# KiCad board After Huzaifa Antuley fixed DRC.kicad_pcb (continued)
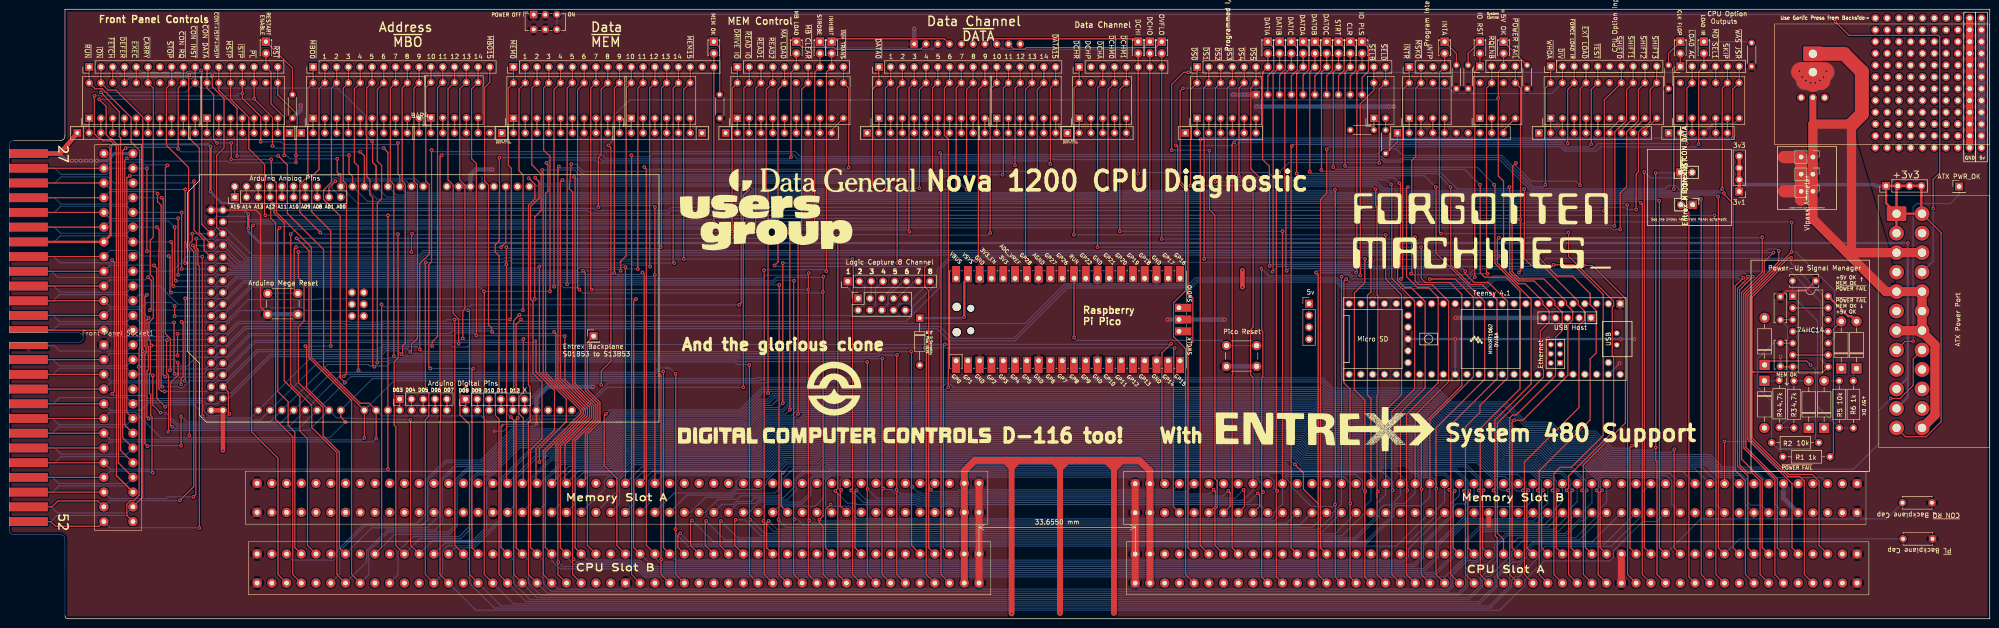
[diagram p0: board, top side]
## Routing (per net, layer and track width the routed paths; a pad name or vN(x,y) marks a point on that pad's centre or on a via; arc(x,y) is an arc through that point) (continued)
  Bottom w0.25: J16.41 306.13,26.29 304.23,24.38 298.85,24.38 298.38,23.92 298.38,22.13 292.36,16.1 146.91,16.1 v1(144.59,18.42) ; 318.45,74.42 v1(318.58,74.42) 315.52,74.42 314.38,73.28 v1(306.13,73.28)
~{RST}: length 524.3
  Top w0.25: 74.36,93.6 73.98,93.22 73.98,95.38 73.22,96.14 v1(73.22,99.95) 73.22,99.82 ; 61.8,99.93 v1(61.79,99.95) ; v1(61.79,99.95) v1(61.79,98.43) ; v1(61.79,99.95) 61.8,99.97 61.8,105.72 62.05,105.97 62.05,108.83 57.85,113.03 BAR2.14 J9.17 ; v1(25.34,99.31) 24.88,98.86 24.88,41.78 Front Panel Socket1.20 ; v1(351.6,89.66) 351.91,89.35 351.91,9.54 J2.30
  Bottom w0.25: v1(73.22,99.95) v1(61.79,99.95) ; J5.20 9.21,40.01 10.53,41.33 25.33,41.33 Front Panel Socket1.20 ; v1(25.34,99.31) 25.65,99.01 28.44,99.01 28.77,98.68 47.17,98.68 47.52,98.34 61.7,98.34 v1(61.79,98.43) ; 73.98,93.22 77.18,90.02 351.24,90.02 v1(351.6,89.66)
~{RUN}: length 560.1
  Top w0.25: J2.14 377.31,9.54 377.31,29.72 375.59,31.43 374.65,31.43 372.88,33.21 372.88,70.93 375.73,73.78 v1(375.73,73.79) ; Front Panel Socket1.26 25.33,22.28 25.33,24.68 26.11,25.46 26.79,25.46 27.98,26.65 27.98,54.25 v1(27.88,54.36) 27.98,54.46 27.98,58.17 28.09,58.28 28.09,100.97 26.24,102.81 26.24,108.13 20.07,114.3 18.48,114.3 BAR1.20 J9.1
  Bottom w0.25: Front Panel Socket1.26 25.33,22.28 10.28,22.28 8.96,20.96 J5.26 ; v1(27.88,54.36) 38.16,54.36 40.2,56.39 44.13,56.39 45.4,57.66 46.04,57.66 50.95,62.57 199.89,62.57 202.55,59.92 216.7,59.92 228.13,71.34 254.8,71.34 256.06,72.6 285.86,72.6 287.25,71.2 318.29,71.2 320.13,73.05 326.38,73.05 326.96,73.64 372.32,73.64 373.57,72.39 374.34,72.39 375.73,73.78 v1(375.73,73.79) 375.73,73.91
~{SELB}: length 239.2
  Top w0.25: 179.08,28 v1(179.26,27.81) 179.08,27.63 179.08,24.27 180.41,22.94 ; v1(291.15,74.04) 291.15,111.06 294.07,113.98 BAR12.20 J10.16 ; 269.88,75.64 v1(269.81,75.57) 269.88,75.49 269.88,62.17 270.13,61.92 270.13,52.22 269.88,51.97 269.88,27.61 v1(270.19,27.31) 269.88,27 269.88,9.02 J2.82
  Bottom w0.25: v1(269.81,75.57) 271.43,73.95 281.92,73.95 282.6,74.62 288.74,74.62 289.41,73.95 291.06,73.95 v1(291.15,74.04) ; v1(270.19,27.31) 269.88,27.61 269.88,29.15 268.5,30.54 179.86,30.54 179.08,29.76 179.08,28 v1(179.26,27.81)
~{SELD}: length 242.3
  Top w0.25: 295.19,98.28 v1(295.21,98.3) 295.19,98.32 295.19,114.16 BAR12.19 J10.17 ; J2.80 273.06,9.02 273.06,27.38 v1(273.24,27.56) 273.06,27.74 273.06,95.7 v1(273.62,96.27)
  Bottom w0.25: 295.09,98.3 295,98.39 275.75,98.39 v1(273.62,96.27) ; 175.91,29.76 175.91,24.27 177.23,22.94 ; 175.91,29.76 177.14,30.99 271.22,30.99 272.54,29.68 272.54,28.27 v1(273.24,27.56) ; 175.91,29.76 177.06,30.91
~{SHIFT0}: length 404.2
  Top w0.25: v1(56.33,88.52) 56.33,86.41 57.39,85.34 57.39,42.94 61.08,39.24 61.08,9.55 J3.94 ; v1(343.6,88.01) 343.75,88.16 343.75,111.91 BAR15.14 J11.7
  Bottom w0.25: v1(343.6,88.01) 343.56,88.05 142.72,88.05 142.12,87.45 125.25,87.45 124.65,88.05 56.8,88.05 v1(56.33,88.52)
~{SHIFT1}: length 410.2
  Top w0.25: v1(52.52,84.84) 52.22,84.55 52.22,40.3 57.91,34.62 57.91,9.55 J3.96 ; v1(345.89,84.71) 346,84.82 346,105.03 346.76,105.79 346.84,105.79 348.54,107.48 348.54,114.16 BAR15.13 J11.8
  Bottom w0.25: v1(345.89,84.71) 345.72,84.87 151.53,84.87 151.25,85.15 52.83,85.15 v1(52.52,84.84)
~{SHIFT2}: length 399.4
  Top w0.25: v1(58.23,84.33) 57.85,83.95 57.85,49.02 60.09,46.78 60.09,41.7 61.53,40.26 61.53,15.37 J3.93 ; J11.9 BAR15.12 351.07,114.16 351.07,107.41 349.57,105.9 349.48,105.9 348.55,104.97 348.55,93.22 347.16,91.82 v1(347.16,83.95)
  Bottom w0.25: v1(347.16,83.95) 345.62,83.95 345.24,84.33 150.88,84.33 150.69,84.52 76.86,84.49 73.31,84.49 73.22,84.58 58.48,84.58 v1(58.23,84.33)
~{SHIFT3}: length 407.4
  Top w0.25: 56.71,89.41 v1(56.71,89.54) 57.05,89.06 57.05,87.54 59.25,85.34 59.25,51.31 62.63,47.92 62.63,40.49 64.25,38.86 64.25,15.82 J3.91 ; v1(350.58,88.27) 350.58,95.89 351.09,96.39 351.09,104.97 352.02,105.9 352.34,105.9 353.62,107.17 353.62,114.16 BAR15.11 J11.10
  Bottom w0.25: v1(56.71,89.54) 57.74,88.5 126.19,88.5 126.64,88.05 142.09,88.05 142.77,88.74 348.2,88.74 348.67,88.27 v1(350.58,88.27)
~{SKIP}: length 407.4
  Top w0.25: v1(90.74,53.98) 90.4,54.32 90.4,76.36 91,76.96 v1(91,101.09) ; v1(100.01,53.98) 99.7,53.67 99.7,49.07 99.68,49.04 99.68,43.59 99.7,43.57 99.7,15.3 J3.69 ; v1(369.13,92.71) 369.14,92.73 369.14,114.45 BAR16.16 J17.5
  Bottom w0.25: v1(91,101.09) 91.35,100.74 169.4,100.74 170.5,99.65 295.84,99.65 296.56,98.93 299.69,98.93 300.23,99.47 321.47,99.47 328.22,92.72 356.81,92.72 357.52,93.44 359.01,93.44 360.18,92.27 368.69,92.27 v1(369.13,92.71) ; v1(100.01,53.98) v1(90.74,53.98)
~{STOP}: length 471.7
  Top w0.25: J9.8 BAR1.13 33.86,114.45 33.86,102.09 38.64,97.32 38.64,81.36 38.31,81.03 38.31,80.01 38.8,79.52 v1(38.8,39.5) ; v1(349.7,37.34) 349.26,36.9 349.26,15.29 J2.31 ; v1(72.45,42.42) 71.44,43.56 71.44,44.96 ; 20.38,43.18 4.15,43.18
  Bottom w0.25: 37.66,39.06 39.43,39.06 ; 37.66,39.06 32.65,39.06 27.2,44.51 21.71,44.51 20.38,43.18 ; 37.66,39.06 38.36,39.06 v1(38.8,39.5) 39.24,39.06 39.43,39.06 ; 39.43,39.06 69.09,39.06 v1(72.45,42.42) ; 160.97,51.78 78.26,51.78 71.44,44.96 ; v1(349.7,37.34) 349.13,36.77 345.57,36.77 341.87,40.47 334.27,40.47 332.36,42.38 327.01,42.38 322.62,46.78 310.74,46.78 307.79,49.72 285.24,49.72 282.98,51.99 161.14,51.99 160.97,51.82
~{TEST}: length 206.1
  Top w0.25: J2.92 253.49,9.54 253.49,58.23 250.9,60.81 250.9,68.15 253.49,70.74 253.49,92.51 253.49,92.52 251.78,94.22 251.78,101.73 v1(251.4,102.11) ; J11.5 BAR15.16 340.92,114.16 340.92,102.38 v1(340.93,102.36)
  Bottom w0.25: v1(251.4,102.11) 251.49,102.02 264.27,102.02 264.86,102.61 264.86,102.62 264.99,102.75 334.57,102.75 335.55,101.76 340.33,101.76 v1(340.93,102.36)
~{WAS JSR}: length 221.1
  Top w0.25: J2.89 256.66,15.81 256.66,103.31 v1(256.73,103.38) ; v1(371.41,103.63) 371.41,114.22 BAR16.15 372.81,115.62 J17.6
  Bottom w0.25: v1(371.41,103.63) 371.39,103.65 257,103.65 v1(256.73,103.38)
~{WHOA}: length 254.3
  Top w0.25: J3.6 200.78,9.55 200.78,100.28 v1(200.6,100.46) ; J11.1 BAR15.20 331.05,114.45 331.05,93.62 v1(331.03,93.6)
  Bottom w0.25: v1(200.6,100.46) 200.96,100.1 294.73,100.1 295.98,101.36 298.86,101.36 300.29,99.92 321.66,99.92 328.41,93.17 330.6,93.17 v1(331.03,93.6)
Net-(BAR12-Pad1): length 2.5
  Top w0.25: BAR12.1 R10.2
Net-(BAR12-Pad2): length 2.5
  Top w0.25: BAR12.2 R9.2
Net-(C3-Pad1): length 32.4
  Top w0.25: U1.5 381.72,59.41 C3.1
  Bottom w0.25: R1.2 382.21,35.56 R2.1 379.8,46.89 376.8,49.88 376.8,56.12 380.14,59.46 C3.1
Net-(C4-Pad1): length 30.4
  Top w0.25: C4.1 381.72,64.49 U1.3
  Bottom w0.25: R3.2 384.45,41.28 R4.1 383.22,43.05 383.22,62.9 C4.1
Net-(C5-Pad1): length 39
  Top w0.25: 384.29,69.62 U1.1
  Bottom w0.25: R6.1 R5.2 389.67,45.83 389.67,64.24 U1.1 384.29,69.62 C5.1
Net-(D1-A): length 30.2
  Top w0.25: R1.1 393.09,35.64 393.09,62.44 D1.2
Net-(D2-K): length 28.1
  Top w0.25: D2.1 379.12,55.58 387.33,55.58 v1(388.18,54.74)
  Bottom w0.25: 389.95,37.97 389.22,38.71 389.22,53.69 v1(388.18,54.74)
Net-(D3-A): length 3.2
  Bottom w0.25: R3.1 387.8,51.31
Net-(D4-K): length 3.3
  Bottom w0.25: R4.2 381.32,51.31 D4.1
Net-(D5-A): length 3.3
  Bottom w0.25: 391.1,51.31 R5.1
Net-(D6-K): length 2.9
  Bottom w0.25: 397.41,51.31 397.41,53.3 D6.1
Net-(D7-K): length 13.8
  Top w0.25: R7.2 61.02,118.75 D7.1
Net-(D8-K): length 12
  Top w0.25: D8.1 153.1,123.19 R8.2
Net-(D9-K): length 29.1
  Top w0.25: RN11.2 196.41,122.81 178.07,122.81 177.65,123.24 170.84,123.24 D9.1
Net-(D10-K): length 26.5
  Bottom w0.25: D10.1 176,123.15 193.57,123.15 193.89,122.83 198.97,122.83 RN11.3
Net-(D11-K): length 26.1
  Top w0.25: RN11.4 201.51,125.08 177.85,125.08 D11.1
Net-(D12-K): length 12.5
  Top w0.25: D12.1 272.48,123.19 272.48,118.37 271.21,117.1 RN14.2
Net-(D13-K): length 33.7
  Top w0.25: D13.1 242.65,125.08 211.38,125.08 RN11.7
Net-(D14-K): length 34.2
  Bottom w0.25: D14.1 244.54,123.19 242.81,123.19 242.44,122.83 213.92,122.83 RN11.8
Net-(D15-K): length 34.2
  Top w0.25: D15.1 247.08,123.19 219.15,123.19 218.78,122.82 216.47,122.82 RN11.9
Net-(D16-K): length 12.4
  Top w0.25: RN14.3 273.75,117.22 274.98,118.45 274.98,123.24 D16.1
Net-(D17-K): length 12.5
  Top w0.25: RN14.4 276.29,117.1 277.61,118.41 277.61,123.15 D17.1
Net-(D18-K): length 12.4
  Top w0.25: D18.1 285.14,123.23 285.14,118.32 283.91,117.1 RN14.7
Net-(D19-K): length 12.4
  Top w0.25: D19.1 287.68,123.24 287.68,118.32 286.45,117.1 RN14.8
Net-(D20-K): length 12.4
  Top w0.25: RN14.9 288.99,117.1 290.21,118.32 290.21,123.24 D20.1
Net-(D21-K): length 12.4
  Top w0.25: D21.1 280.06,123.24 280.06,118.45 278.83,117.22 RN14.5
Net-(D22-K): length 12.4
  Top w0.25: D22.1 282.59,123.24 282.59,118.32 281.37,117.1 RN14.6
Net-(D23-K): length 12.6
  Top w0.25: RN14.10 291.53,116.71 292.89,118.08 292.89,123.1 D23.1
Net-(D24-K): length 7.2
  Top w0.25: D24.1 327.09,119.38
Net-(D25-K): length 6.1
  Top w0.25: 311.85,119.38 311.85,121.92 D25.1
Net-(D26-K): length 6.1
  Top w0.25: 314.39,119.38 314.39,121.92 D26.1
Net-(D27-K): length 10.4
  Bottom w0.25: R13.2 375.22,124.46 D27.1
Net-(D28-K): length 6.1
  Top w0.25: D28.1 357.57,121.92 357.57,119.38
Net-(D29-K): length 18.4
  Top w0.25: U2.39 205.81,72.64
  Top w0.5: 205.81,72.64 205.81,65.08 v1(205.78,65.06) 205.81,65.03
  Bottom w0.5: D29.1 205.57,64.85 v1(205.78,65.06)
Net-(J21-Pin_1): length 2.3
  Top w0.25: 48.58,93.22 J21.1
Net-(J21-Pin_2): length 2.3
  Top w0.25: 51.12,93.22 J21.2
Net-(J21-Pin_3): length 2.3
  Top w0.25: 53.66,93.22 J21.3
Net-(J21-Pin_4): length 2.3
  Top w0.25: 56.2,93.22 J21.4
Net-(J21-Pin_5): length 2.3
  Top w0.25: 58.74,93.22 J21.5
Net-(J21-Pin_6): length 2.3
  Top w0.25: 61.28,93.22 J21.6
Net-(J21-Pin_7): length 2.3
  Top w0.25: 63.82,93.22 J21.7
Net-(J21-Pin_8): length 2.3
  Top w0.25: 66.36,93.22 J21.8
Net-(J21-Pin_9): length 21.1
  Top w0.25: v1(70.3,94.36) 68.9,92.96 J21.9
  Bottom w0.25: 70.47,94.41 70.42,94.41 v1(70.3,94.36) 70.51,94.41 85.49,94.41 86.68,93.22
Net-(J21-Pin_10): length 25.1
  Bottom w0.25: 89.22,93.22 87.57,94.87 71.06,94.87 70.84,95.09 70,95.09 69.53,94.63 69.53,92.84 J21.10
Net-(J22-Pin_1): length 2.4
  Top w0.25: 84.14,44.96 J22.1
Net-(J22-Pin_2): length 2.4
  Top w0.25: 86.68,44.96 J22.2
Net-(J22-Pin_3): length 2.4
  Top w0.25: J22.3 89.22,44.96
Net-(J22-Pin_4): length 2.4
  Top w0.25: 91.76,44.96 J22.4
Net-(J22-Pin_5): length 2.4
  Top w0.25: 94.3,44.96 J22.5
Net-(J23-Pin_1): length 2.4
  Top w0.25: 98.36,44.96 98.36,47.3 J23.1
Net-(J23-Pin_2): length 2.4
  Top w0.25: J23.2 100.9,47.3 100.9,44.96
Net-(J23-Pin_3): length 2.4
  Top w0.25: 103.44,44.96 103.44,47.3 J23.3
Net-(J23-Pin_4): length 2.4
  Top w0.25: 105.98,44.96 105.98,47.3 J23.4
Net-(J23-Pin_5): length 2.4
  Top w0.25: J23.5 108.52,47.3 108.52,44.96
Net-(RN1-R1): length 3.2
  Top w0.25: BAR1.1 RN1.2
Net-(RN1-R2): length 3.2
  Top w0.25: BAR1.2 RN1.3
Net-(RN1-R3): length 3.2
  Top w0.25: BAR1.3 RN1.4
Net-(RN1-R4): length 3.2
  Top w0.25: BAR1.4 RN1.5
Net-(RN1-R5): length 3.2
  Top w0.25: BAR1.5 RN1.6
Net-(RN1-R6): length 3.2
  Top w0.25: BAR1.6 RN1.7
Net-(RN1-R7): length 3.2
  Top w0.25: BAR1.7 RN1.8
Net-(RN1-R8): length 3.2
  Top w0.25: BAR1.8 RN1.9
Net-(RN1-R9): length 3.2
  Top w0.25: BAR1.9 RN1.10
Net-(RN2-R1): length 3.2
  Top w0.25: BAR2.7 RN2.2
Net-(RN2-R2): length 3.2
  Top w0.25: BAR2.6 RN2.3
Net-(RN2-R3): length 3.2
  Top w0.25: BAR2.5 RN2.4
Net-(RN2-R4): length 3.2
  Top w0.25: BAR2.4 RN2.5
Net-(RN2-R5): length 3.2
  Top w0.25: BAR2.3 RN2.6
Net-(RN2-R6): length 3.2
  Top w0.25: BAR2.2 RN2.7
Net-(RN2-R7): length 3.2
  Top w0.25: BAR2.1 RN2.8
Net-(RN2-R8): length 3.2
  Top w0.25: BAR1.10 RN2.9
Net-(RN3-R1): length 3.2
  Top w0.25: BAR3.1 RN3.2
Net-(RN3-R2): length 3.2
  Top w0.25: BAR3.2 RN3.3
Net-(RN3-R3): length 3.2
  Top w0.25: BAR3.3 RN3.4
Net-(RN3-R4): length 3.2
  Top w0.25: BAR3.4 RN3.5
Net-(RN3-R5): length 3.2
  Top w0.25: BAR3.5 RN3.6
Net-(RN3-R6): length 3.2
  Top w0.25: BAR3.6 RN3.7
Net-(RN3-R7): length 3.2
  Top w0.25: BAR3.7 RN3.8
Net-(RN3-R8): length 3.2
  Top w0.25: BAR3.8 RN3.9
Net-(RN3-R9): length 3.2
  Top w0.25: BAR3.9 RN3.10
Net-(RN4-R2): length 3.3
  Top w0.25: BAR4.5 RN4.3
Net-(RN4-R3): length 3.3
  Top w0.25: BAR4.4 RN4.4
Net-(RN4-R4): length 3.3
  Top w0.25: BAR4.3 RN4.5
Net-(RN4-R5): length 3.3
  Top w0.25: BAR4.2 RN4.6
Net-(RN4-R6): length 3.3
  Top w0.25: BAR4.1 RN4.7
Net-(RN4-R7): length 3.2
  Top w0.25: BAR3.10 RN4.8
Net-(RN5-R1): length 3.2
  Top w0.25: BAR5.1 RN5.2
Net-(RN5-R2): length 3.2
  Top w0.25: BAR5.2 RN5.3
Net-(RN5-R3): length 3.2
  Top w0.25: BAR5.3 RN5.4
Net-(RN5-R4): length 3.2
  Top w0.25: BAR5.4 RN5.5
Net-(RN5-R5): length 3.2
  Top w0.25: BAR5.5 RN5.6
Net-(RN5-R6): length 3.2
  Top w0.25: BAR5.6 RN5.7
Net-(RN5-R7): length 3.2
  Top w0.25: BAR5.7 RN5.8
Net-(RN5-R8): length 3.2
  Top w0.25: BAR5.8 RN5.9
Net-(RN5-R9): length 3.2
  Top w0.25: BAR5.9 RN5.10
Net-(RN6-R1): length 3.2
  Top w0.25: BAR6.6 RN6.2
Net-(RN6-R2): length 3.2
  Top w0.25: BAR6.5 RN6.3
Net-(RN6-R3): length 3.2
  Top w0.25: BAR6.4 RN6.4
Net-(RN6-R4): length 3.2
  Top w0.25: BAR6.3 RN6.5
Net-(RN6-R5): length 3.2
  Top w0.25: BAR6.2 RN6.6
Net-(RN6-R6): length 3.2
  Top w0.25: BAR6.1 RN6.7
Net-(RN6-R7): length 3.2
  Top w0.25: BAR5.10 RN6.8
Net-(RN7-R1): length 3.2
  Top w0.25: BAR7.1 RN7.2
Net-(RN7-R2): length 3.2
  Top w0.25: BAR7.2 RN7.3
Net-(RN7-R3): length 3.2
  Top w0.25: BAR7.3 RN7.4
Net-(RN7-R4): length 3.2
  Top w0.25: BAR7.4 RN7.5
Net-(RN7-R5): length 3.2
  Top w0.25: BAR7.5 RN7.6
Net-(RN7-R6): length 3.2
  Top w0.25: BAR7.6 RN7.7
Net-(RN7-R7): length 3.2
  Top w0.25: BAR7.7 RN7.8
Net-(RN7-R8): length 3.2
  Top w0.25: BAR7.8 RN7.9
Net-(RN7-R9): length 4.2
  Top w0.25: BAR7.10 177.23,105.41 RN7.10
Net-(RN8-R1): length 3.2
  Top w0.25: BAR8.1 RN8.2
Net-(RN8-R2): length 3.2
  Top w0.25: BAR8.2 RN8.3
Net-(RN8-R3): length 3.2
  Top w0.25: BAR8.3 RN8.4
Net-(RN8-R4): length 3.2
  Top w0.25: BAR8.4 RN8.5
Net-(RN8-R5): length 3.2
  Top w0.25: BAR8.5 RN8.6
Net-(RN8-R6): length 3.2
  Top w0.25: BAR8.6 RN8.7
Net-(RN8-R7): length 3.2
  Top w0.25: BAR8.7 RN8.8
Net-(RN8-R8): length 3.2
  Top w0.25: BAR8.8 RN8.9
Net-(RN8-R9): length 3.2
  Top w0.25: BAR8.9 RN8.10
Net-(RN9-R1): length 3.2
  Top w0.25: BAR9.6 RN9.2
Net-(RN9-R2): length 3.2
  Top w0.25: BAR9.5 RN9.3
Net-(RN9-R3): length 3.2
  Top w0.25: BAR9.4 RN9.4
Net-(RN9-R4): length 3.2
  Top w0.25: BAR9.3 RN9.5
Net-(RN9-R5): length 3.2
  Top w0.25: BAR9.2 RN9.6
Net-(RN9-R6): length 3.2
  Top w0.25: BAR9.1 RN9.7
Net-(RN9-R7): length 3.2
  Top w0.25: BAR8.10 RN9.8
Net-(RN10-R1): length 3.2
  Top w0.25: BAR11.1 RN10.2
Net-(RN10-R2): length 3.2
  Top w0.25: BAR11.2 RN10.3
Net-(RN10-R3): length 3.2
  Top w0.25: BAR11.3 RN10.4
Net-(RN10-R4): length 3.2
  Top w0.25: BAR11.4 RN10.5
Net-(RN10-R5): length 3.2
  Top w0.25: BAR11.5 RN10.6
Net-(RN12-R1): length 3.2
  Top w0.25: BAR10.1 RN12.2
Net-(RN12-R2): length 3.2
  Top w0.25: BAR10.2 RN12.3
Net-(RN12-R3): length 3.2
  Top w0.25: BAR10.3 RN12.4
Net-(RN12-R4): length 3.2
  Top w0.25: BAR10.4 RN12.5
Net-(RN12-R5): length 3.2
  Top w0.25: BAR10.5 RN12.6
Net-(RN12-R6): length 3.2
  Top w0.25: BAR10.6 RN12.7
Net-(RN13-R1): length 3.2
  Top w0.25: BAR13.1 RN13.2
Net-(RN13-R2): length 3.2
  Top w0.25: BAR13.2 RN13.3
Net-(RN13-R3): length 3.2
  Top w0.25: BAR13.3 RN13.4
Net-(RN13-R4): length 3.2
  Top w0.25: BAR13.4 RN13.5
Net-(RN13-R8): length 3.2
  Top w0.25: BAR14.2 RN13.9
Net-(RN13-R9): length 4.2
  Top w0.25: BAR14.4 322.01,105.41 RN13.10
Net-(RN15-R1): length 3.2
  Top w0.25: BAR15.1 RN15.2
Net-(RN15-R2): length 3.2
  Top w0.25: BAR15.2 RN15.3
Net-(RN15-R3): length 3.2
  Top w0.25: BAR15.3 RN15.4
Net-(RN15-R4): length 3.2
  Top w0.25: BAR15.4 RN15.5
Net-(RN15-R5): length 3.2
  Top w0.25: BAR15.5 RN15.6
Net-(RN15-R6): length 4.2
  Top w0.25: RN15.7 344.87,105.41 BAR15.7
Net-(RN15-R7): length 4.2
  Top w0.25: RN15.8 347.41,105.41 BAR15.8
Net-(RN15-R8): length 4.2
  Top w0.25: RN15.9 349.95,105.41 BAR15.9
Net-(RN15-R9): length 4.2
  Top w0.25: RN15.10 352.49,105.41 BAR15.10
Net-(RN16-R2): length 3.2
  Top w0.25: BAR16.2 RN16.3
Net-(RN16-R3): length 8.9
  Bottom w0.25: BAR16.6 371.69,106.83 367.24,106.83 RN16.4
Net-(RN16-R4): length 3.2
  Top w0.25: BAR16.4 RN16.5
Net-(RN16-R5): length 3.2
  Top w0.25: BAR16.5 RN16.6
Net-(U1-Pad6): length 7.6
  Top w0.25: U1.9 U1.6
Net-(U1-Pad11): length 7.6
  Top w0.25: U1.11 U1.4
Net-(U1-Pad13): length 7.6
  Top w0.25: U1.13 U1.2
Net-(U2-RUN): length 52.9
  Top w0.25: v1(229.48,60.65) 229.44,60.68 U2.30
  Bottom w0.25: SW3.2 SW3.2 261.19,60.03 230.09,60.03 v1(229.48,60.65) 229.46,60.67
Net-(XA1-RESET): length 74.7
  Top w0.25: 107,93.22 107,81.15 v1(105.98,80.14) ; 62.19,70.23 61.41,71.02 61.41,79.76 v1(61.79,80.14)
  Bottom w0.25: 106.11,80.14 v1(105.98,80.14) v1(61.79,80.14) ; 55.69,70.23 62.19,70.23

## Copper pours and planes (outline as drawn; the poured copper is in the pictures)
+5V on Bottom: -1.71,138.05 -1.71,-34.04 438.47,-35.56 435.55,136.91
GND on Top: -1.71,138.05 -1.71,-34.04 438.47,-35.56 435.55,136.91
GND After Meter on Top: 388.81,106.68 396.94,106.68 405.32,79.12 406.72,70.23 403.16,70.49 388.43,86.36

## Text on the board
B.Silkscreen: Resistor Blocks / Share Pin 1 Hole | See the Entrex 480 Front Panel schematic | System / Control | GND | 5v | ~{CONT+ISTP+MSTP} | ~{FORCE LOAD IR} | CLK FLOP | LOAD IR | RESTART / ENABLE | MEM OK | MB LOAD | STROBE | INHIBIT | ~{INH TRANS} | ~{RUN} | ~{ION} | ~{FETCH} | ~{DEFER} | ~{EXEC} | ~{CARRY} | ~{STOP} | ~{CON RQ} | ~{CON INST} | ~{CON DATA} | ~{MSTP} | ~{ISTP} | ~{PL} | ~{RST} | ~{MBO0} | ~{MBO15} | ~{MEM0} | ~{MEM15} | ~{DRIVE IO} | ~{READ IO} | ~{READ1} | ~{READ2} | ~{MA LOAD} | ~{MB CLEAR} | ~{DATA0} | ~{DATA15} | ~{DCHR} | ~{DCHA} | ~{DCHM0} | ~{DCHM1} | DCHI | DCHO | OVFLO | ~{DS0} | ~{DS1} | ~{DS2} | ~{DS3} | ~{DS4} | ~{DS5} | DATIA | DATIB | DATIC | DATOA | DATOB | DATOC | STRT | CLR | IO PLS | ~{SELB} | ~{SELD} | ~{INTR} | ~{MSKO} | INTA | IO RST | ~{RQENB} | +5V OK | ~{POWER FAIL} | ~{WHOA} | ~{DIV} | ~{EXT LOAD} | ~{TEST} | ~{SHIFT0} | ~{SHIFT1} | ~{SHIFT2} | ~{SHIFT3} | ~{LOAD AC} | ~{MD SEL1} | ~{SKIP} | ~{WAS JSR} | DCHP | INTP | Front Panel Socket | Entrex Backplane / S01B53 to S13B53 | Entrex ~{M CON INST} | Entrex ~{M CON DATA} | 3v3 | CPU Option / Outputs | ATX PWR_OK | Program Interrupt | CPU Option Inputs | 1 | 2 | 3 | 4 | 5 | 6 | 7 | 8 | 9 | 10 | 11 | 12 | 13 | 14 | Programmed I/O | Data Channel | +3v3 | MEM Control | Front Panel Controls | CPU Slot B | Memory Slot A | CPU Slot A | Memory Slot B | Address / ~{MBO} | Data Channel / ~{DATA} | Data / ~{MEM} | Garlic Press
User.Comments: consider putting silkscreen borders / for resistor blocks / on the backside as well
F.Silkscreen: or Bipass Ammeter, depending on your preference | Resistor Blocks / Share Pin 1 Hole | See the Entrex 480 Front Panel schematic | 5v D_Schottky / to Pico VSYS | System / Control | GND | 5v | A15 A14 A13 A12 A11 A10 A09 A08 A01 A00 | ~{CONT+ISTP+MSTP} | +5V OK | POWER OFF | ON | MEM OK | ~{POWER FAIL} | +5V OK / MEM OK / ~{POWER FAIL} | ~{POWER FAIL} / MEM OK / +5V OK | ~{FORCE LOAD IR} | CLK FLOP | LOAD IR | Use Garlic Press from Backside→ | D03 D04 D05 D06 D07 | D08 D09 D10 D11 D12 | RESTART / ENABLE | MB LOAD | STROBE | INHIBIT | ~{INH TRANS} | Arduino Anolog Pins | 1 | 2 | 3 | 4 | 5 | 6 | 7 | 8 | 9 | 10 | Arduino Digital Pins | 11 | 12 | 13 | 14 | X | Entrex Backplane / S01B53 to S13B53 | Logic Capture 8 Channel | CPU Option / Outputs | Power-Up Signal Manager | ↑ | ↓ | ~{RUN} | ~{ION} | ~{FETCH} | ~{DEFER} | ~{EXEC} | ~{CARRY} | ~{STOP} | ~{CON RQ} | ~{CON INST} | ~{CON DATA} | ~{MSTP} | ~{ISTP} | ~{PL} | ~{RST} | ~{MBO0} | ~{MBO15} | ~{MEM0} | ~{MEM15} | ~{DRIVE IO} | ~{READ IO} | ~{READ1} | ~{READ2} | ~{MA LOAD} | ~{MB CLEAR} | ~{DATA0} | ~{DATA15} | ~{DCHR} | ~{DCHA} | ~{DCHM0} | ~{DCHM1} | DCHI | DCHO | OVFLO | ~{DS0} | ~{DS1} | ~{DS2} | ~{DS3} | ~{DS4} | ~{DS5} | DATIA | DATIB | DATIC | DATOA | DATOB | DATOC | STRT | CLR | IO PLS | ~{SELB} | ~{SELD} | ~{INTR} | ~{MSKO} | INTA | IO RST | ~{RQENB} | ~{WHOA} | ~{DIV} | ~{EXT LOAD} | ~{TEST} | ~{SHIFT0} | ~{SHIFT1} | ~{SHIFT2} | ~{SHIFT3} | ~{LOAD AC} | ~{MD SEL1} | ~{SKIP} | ~{WAS JSR} | DCHP | INTP | 1  2  3  4  5  6  7  8 | Data Channel | +3v3 | MEM Control | Front Panel Controls | Raspberry / Pi Pico | Memory Slot A | CPU Slot B | Memory Slot B | CPU Slot A | Address / ~{MBO} | Data / ~{MEM} | Data Channel / ~{DATA} | And the glorious clone | D-116 too! | With | System 480 Support | Nova 1200 CPU Diagnostic
